# Allegro board RK3588S_Template_LP4XD200P232SD10H2_30X30_2133MHz_H1R0_V11_20220218YWQ.brd (continued)
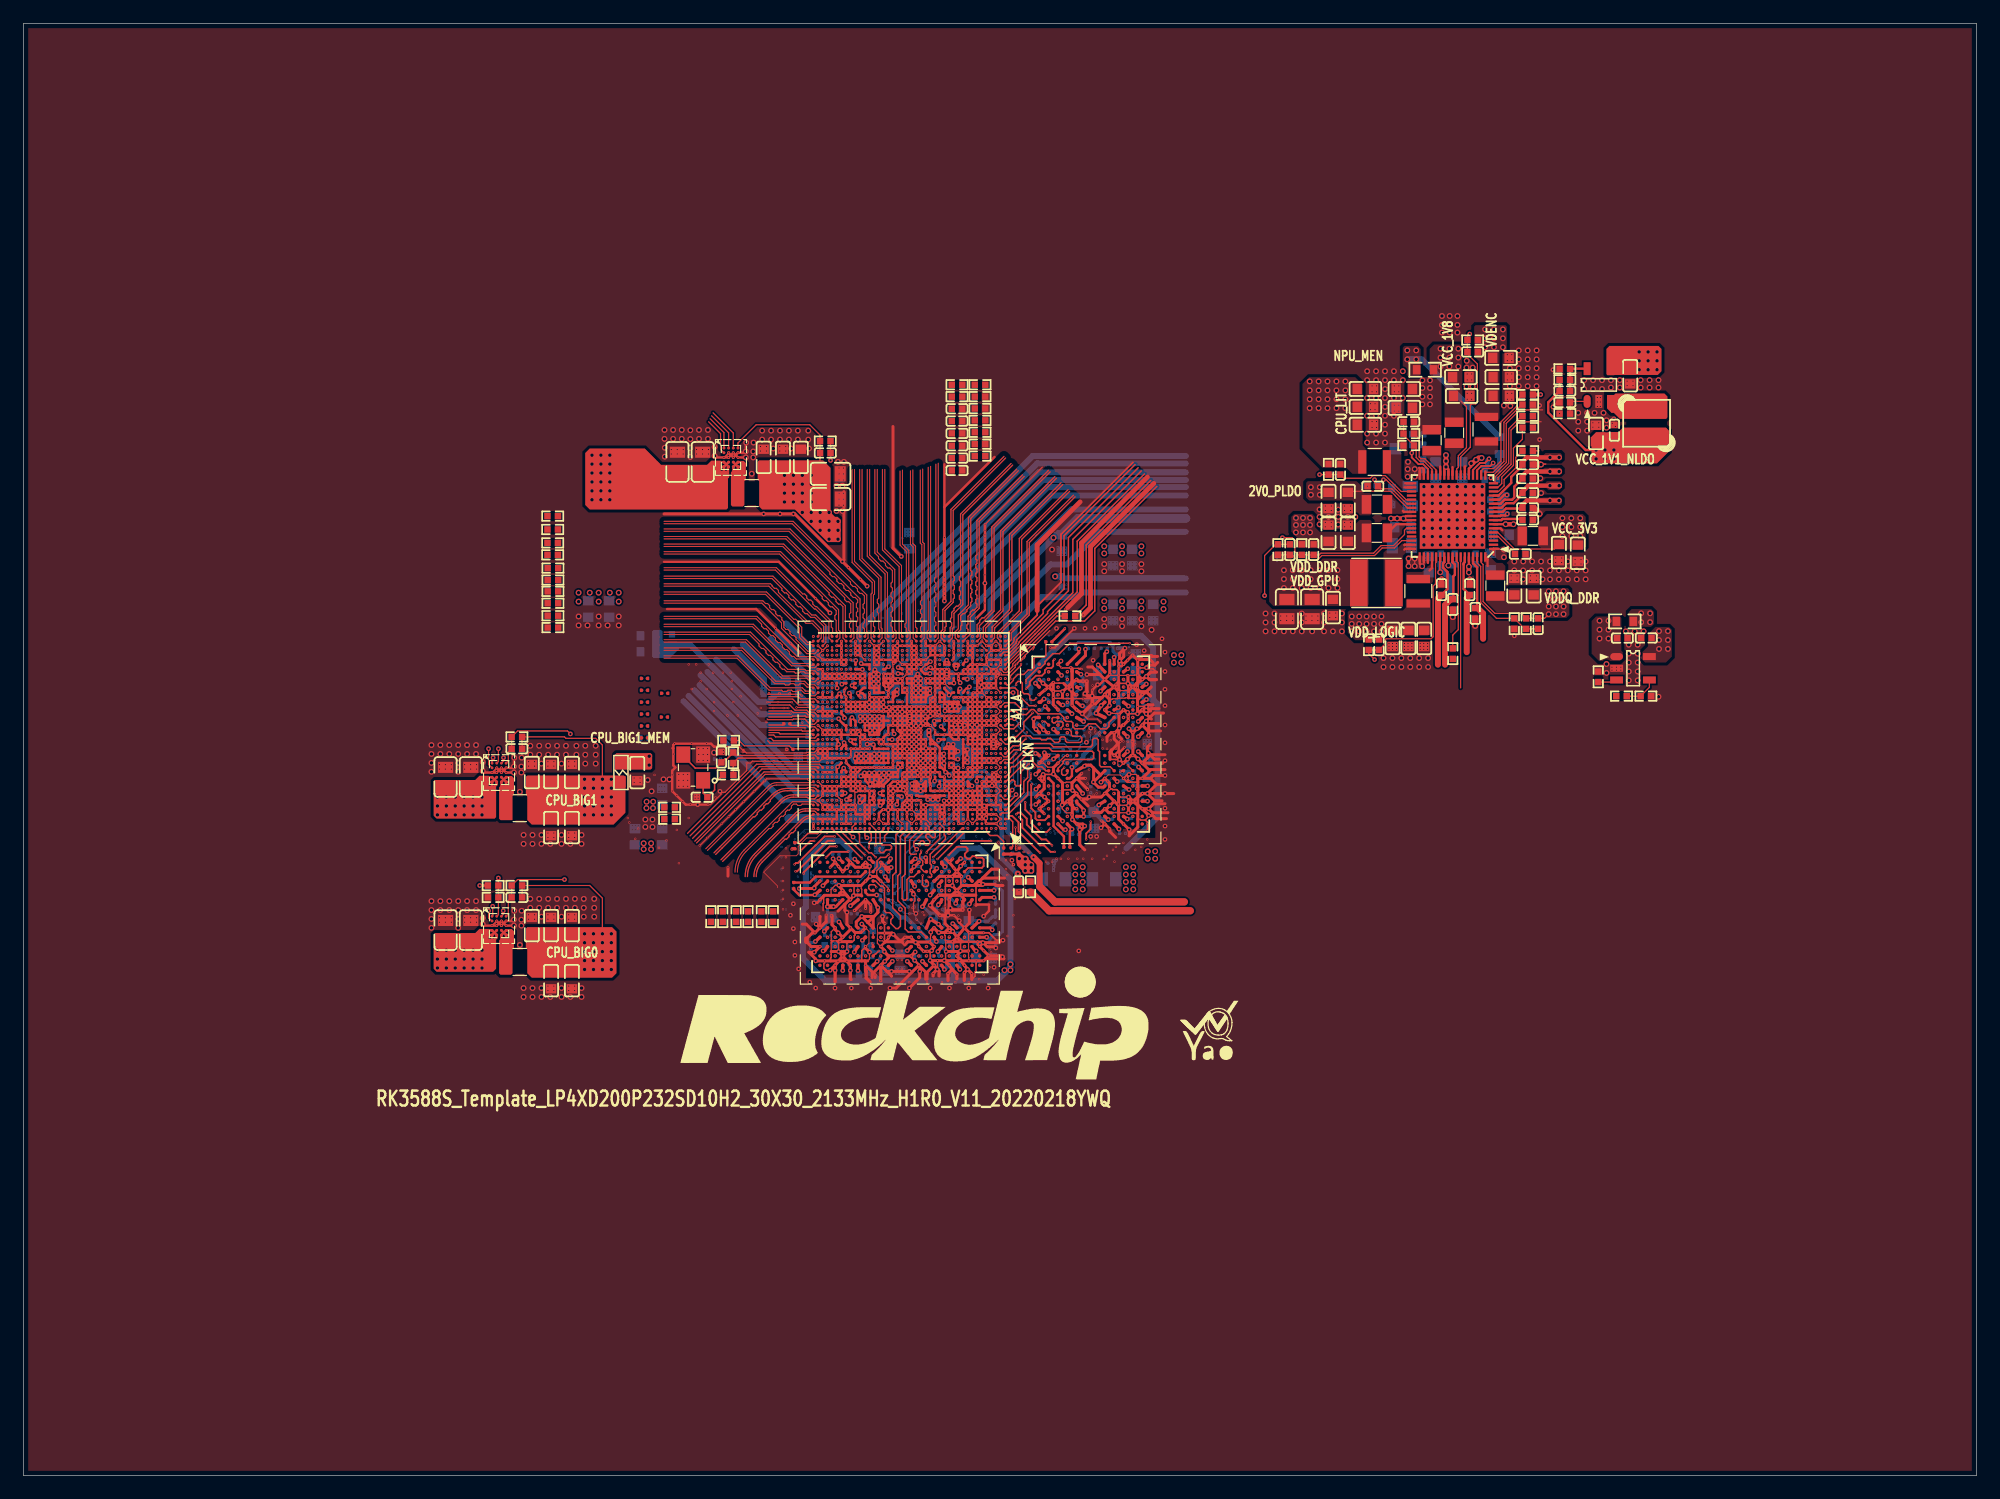
[diagram p0: board, top side]
## Routing (per net, layer and track width the routed paths; a pad name or vN(x,y) marks a point on that pad's centre or on a via; arc(x,y) is an arc through that point) (continued)
DDR_CH1_DQ1_C: length 12.1
  TOP w0.152: U3801.C2 80.73,51.93 81.89,51.93 82.04,52.08 82.04,52.67 81.91,52.79 81.44,52.79 81.31,52.93 81.09,52.93 80.86,52.7 80.65,52.7 80.43,52.92 80.43,53.13 80.66,53.36 80.66,53.57 80.51,53.72 79.76,53.72 v2(79.06,53.02)
  L3-S1 w0.076: v2(76.29,56.9) 76.29,56.81 76.51,56.59 76.51,56.05 76.96,55.6 76.96,55.15 79.06,53.06 v2(79.06,53.02)
DDR_CH1_DQ1_D: length 12.9
  L3-S1 w0.076: v3(69.86,52.07) 69.82,52.07 v2(69.35,51.6) ; v2(74.29,56.1) v3(74.29,55.8)
  L8-S3 w0.076: v3(69.86,52.07) 70.02,52.23 70.02,52.91 69.8,53.13 69.8,53.34 69.87,53.41 70.07,53.41 70.15,53.49 70.15,53.65 70.07,53.73 69.82,53.73 69.74,53.81 69.74,53.97 69.82,54.04 70.53,54.04 70.61,54.12 70.61,54.28 70.53,54.36 69.82,54.36 69.74,54.44 69.74,54.6 69.82,54.67 70.41,54.67 70.48,54.75 70.48,54.91 70.41,54.99 69.82,54.99 69.74,55.07 69.74,55.23 69.82,55.31 70.6,55.31 70.68,55.23 70.68,55.14 70.76,55.06 70.91,55.06 70.99,55.14 70.99,55.23 71.07,55.31 72.46,55.31 72.63,55.48 73.98,55.48 v3(74.29,55.8)
DDR_CH1_DQ2_C: length 8.1
  L3-S1 w0.076: v3(77.24,53.83) 77.24,54.21 76.83,54.61 76.45,54.61 76.2,54.86 76.2,55.21 v2(76.29,55.3) ; v2(79.1,51.64) 79.12,51.65 79.68,51.65 79.76,51.73 79.76,51.93 79.68,52.01 79.26,52.01 79.04,52.23 79.01,52.23 78.89,52.36 78.89,52.39 v3(78.1,53.17)
  L8-S3 w0.076: v3(77.24,53.83) 77.45,53.83 77.73,54.11 77.97,54.11 78.73,53.35 78.73,53.24 78.44,52.95 78.33,52.95 v3(78.1,53.17)
DDR_CH1_DQ2_D: length 12
  L3-S1 w0.076: v2(70.65,51.63) 70.71,51.68 70.71,52.86 v3(71.03,53.17) ; v3(74.35,54.62) 74.35,55.3 74.69,55.64 v2(74.69,55.7)
  L8-S3 w0.076: v3(74.35,54.62) 74.83,54.15 75.1,54.15 75.18,54.23 75.18,54.54 75.1,54.62 75.01,54.62 74.93,54.7 74.93,54.86 75.01,54.93 75.1,54.93 75.18,55.01 75.18,55.29 75.1,55.37 74.71,55.37 74.31,54.97 72.88,54.97 72.5,54.6 72.5,54.34 72.63,54.21 72.63,54.1 72.52,53.99 72.41,53.99 72.28,54.12 72.17,54.12 72.06,54 72.06,53.89 72.32,53.64 72.32,53.52 72.2,53.41 72.09,53.41 71.91,53.59 71.11,53.59 71.03,53.52 v3(71.03,53.17)
DDR_CH1_DQ3_C: length 9.9
  L3-S1 w0.076: v2(78.45,51.6) 78.36,51.69 78.36,51.73 78.37,51.75 78.37,52.03 78.36,52.04 78.36,52.31 v3(78.35,52.33) ; v2(76.29,57.3) 76.69,56.9 v3(76.7,56.9)
  L8-S3 w0.076: v3(78.35,52.33) 77.52,53.15 77.23,53.15 76.96,53.42 76.96,53.62 76.9,53.69 76.9,53.91 76.83,53.98 76.83,54.12 76.91,54.2 77.39,54.2 77.47,54.28 77.47,54.43 77.39,54.51 76.91,54.51 76.83,54.59 76.83,54.75 76.91,54.83 77.39,54.83 77.47,54.91 77.47,55.06 77.39,55.14 76.91,55.14 76.83,55.22 76.83,55.33 77.47,55.97 77.47,56.77 77.3,56.94 76.74,56.94 v3(76.7,56.9)
DDR_CH1_DQ3_D: length 10.7
  L3-S1 w0.076: v2(71.3,51.6) 71.3,51.71 v3(71.07,51.94) ; v2(73.09,55.3) 73,55.21 v3(73,54.61)
  L8-S3 w0.076: v3(73,54.61) 73,54.1 72.66,53.76 72.66,53.25 72.58,53.17 72.22,53.17 71.88,52.83 71.88,52.47 71.96,52.39 72.57,52.39 72.66,52.3 72.66,51.94 72.46,51.75 72.46,51.58 72.54,51.51 72.78,51.51 72.9,51.39 72.9,50.77 72.67,50.54 71.92,50.54 71.84,50.62 71.84,50.9 72,51.05 72,51.3 71.92,51.38 71.74,51.38 71.66,51.46 71.66,51.62 71.74,51.7 71.81,51.7 71.88,51.77 71.88,51.99 71.81,52.07 71.63,52.07 71.5,51.94 v3(71.07,51.94)
DDR_CH1_DQ4_C: length 12.6
  L3-S1 w0.076: v2(77.49,56.1) 77.53,56.06 77.53,55.31 79.55,53.3 80.36,53.3 81.56,52.09 81.56,50.42 81.79,50.19 81.79,49.53 81.51,49.25 79.91,49.25 79.5,49.66 78.99,49.66 78.81,49.84 78.68,49.84 78.52,50 v2(78.45,50)
DDR_CH1_DQ4_D: length 13.1
  L3-S1 w0.076: v3(73.99,56.37) 74.16,56.37 v2(74.29,56.5) ; v2(71.3,50) 71.33,50.03 v3(71.61,50.03)
  L8-S3 w0.076: v3(73.99,56.37) 74.23,56.37 74.56,56.05 75.26,56.05 75.69,55.61 75.69,53.58 75.61,53.51 75.14,53.51 75.06,53.43 75.06,53.27 75.14,53.19 75.61,53.19 75.69,53.11 75.69,52.72 75.51,52.55 75.4,52.55 75.08,52.87 74.97,52.87 74.86,52.76 74.86,52.65 75.18,52.32 75.18,52.21 74.74,51.77 74.74,51.5 74.04,50.8 73.66,50.8 72.88,50.03 v3(71.61,50.03)
DDR_CH1_DQ5_C: length 8.9
  L3-S1 w0.076: v2(79.1,50) v3(78.89,50.22) ; v2(77.89,56.1) 78.27,55.72 v3(78.33,55.72)
  L8-S3 w0.076: v3(78.89,50.22) 78.16,50.94 78.16,51.46 78.36,51.66 78.87,51.66 79.21,51.99 79.62,51.99 79.74,52.11 79.74,52.58 79.74,52.72 77.85,54.61 77.85,55.24 v3(78.33,55.72)
DDR_CH1_DQ5_D: length 11.6
  L3-S1 w0.076: v3(70.44,49.74) v2(70.65,49.96) ; v3(74.04,53.59) 74.04,53.79 73.85,53.97 73.85,54.94 v2(73.09,55.7)
  L8-S3 w0.076: v3(70.44,49.74) 70.41,49.71 70.41,49.54 70.8,49.15 71.12,49.15 71.26,49.29 71.26,49.77 71.12,49.91 71.12,50.16 71.37,50.42 71.7,50.42 71.83,50.28 72.78,50.28 73.15,50.66 73.15,51.31 73.38,51.54 74.27,51.54 74.48,51.75 74.48,52.85 74.04,53.3 v3(74.04,53.59)
DDR_CH1_DQ6_C: length 11.1
  L3-S1 w0.076: v2(77.49,56.5) 77.49,56.41 77.27,56.19 77.27,55.21 79.39,53.09 80.2,53.09 81.31,51.98 81.31,50.83 80.8,50.32 80.8,49.61 80.73,49.53 80.09,49.53 80.01,49.61 80.01,50.02 80.09,50.1 80.3,50.1 v2(80.4,50)
DDR_CH1_DQ6_D: length 13.3
  TOP w0.152: v2(68.57,52.81) 69.06,53.3 70.44,53.3 v2(70.48,53.34)
  L3-S1 w0.076: v2(73.49,56.1) 73.32,55.93 73.01,55.93 72.77,55.69 72.77,55.5 72.64,55.37 72.64,54.36 71.8,53.51 70.66,53.51 v2(70.48,53.34) ; v2(69.31,49.98) 69.37,50.04 69.85,50.04 70.04,49.85 70.04,49.35 69.96,49.28 69.48,49.28 68.96,49.79 68.96,50.54 68.07,51.44 68.07,52.36 68.52,52.81 v2(68.57,52.81)
DDR_CH1_DQ7_C: length 11.3
  L3-S1 w0.076: v3(81.33,50.17) 81.22,50.17 v2(81.05,50) ; v2(77.89,56.5) 77.89,56.71 v3(77.98,56.79)
  L8-S3 w0.076: v3(81.33,50.17) 81.33,50.59 82.28,51.55 82.28,55.41 82.19,55.5 82.19,55.69 81.65,56.24 78.54,56.24 v3(77.98,56.79)
DDR_CH1_DQ7_D: length 12.8
  L3-S1 w0.076: v2(68.7,50) 68.6,49.9 68.47,49.9 68.38,49.98 68.28,49.98 68.2,49.9 68.2,49.6 68.28,49.52 68.44,49.52 68.52,49.45 68.52,49.28 68.44,49.21 68.17,49.21 67.95,49.42 67.95,50.56 68.22,50.82 68.22,50.95 67.69,51.47 67.69,52.4 68.36,53.06 69.85,53.06 70.51,53.73 71.75,53.73 72.39,54.36 72.39,55.49 72.52,55.63 72.52,55.85 72.69,56.03 v2(72.69,56.1)
DDR_CH1_DQ8_C: length 15.7
  L3-S1 w0.076: v2(81.05,44.4) 81.46,44.4 83.92,46.85 83.92,50.58 83.31,51.18 83.31,52.68 82.89,53.1 82.89,53.63 82.23,54.29 82.23,55.43 82.08,55.59 82.08,55.82 81.64,56.26 80.53,56.26 v2(80.29,56.5)
DDR_CH1_DQ8_D: length 17.3
  TOP w0.152: v2(66.43,53.42) 67.24,54.23 v2(67.56,54.23)
  L3-S1 w0.076: v2(67.56,54.23) 68.07,54.23 68.55,54.7 68.76,54.7 69.78,55.73 70.04,55.73 70.26,55.95 70.26,56.07 v2(70.69,56.5) ; v2(66.43,53.42) 66.24,53.42 65.15,52.32 65.15,48.94 65.89,48.2 65.89,47.27 67.05,46.1 67.05,45.29 67.29,45.06 67.74,45.06 67.94,44.85 67.94,44.58 68.12,44.4 v2(68.7,44.4)
DDR_CH1_DQ9_C: length 15.2
  L3-S1 w0.076: v2(79.49,55.7) 79.49,55.64 79.86,55.27 79.86,54.82 80.45,54.23 80.9,54.23 81.15,53.98 81.68,53.98 82.12,53.53 82.12,52.63 82.33,52.41 82.33,51.4 83.4,50.33 83.4,49.02 83.32,48.94 83.26,48.94 83.18,48.86 83.18,48.71 83.26,48.63 83.32,48.63 83.4,48.55 83.4,48.39 83.32,48.31 83.26,48.31 83.18,48.23 83.18,48.08 83.26,48 83.32,48 83.4,47.92 83.4,47.75 81.28,45.63 81.28,45.28 v2(80.4,44.4)
DDR_CH1_DQ9_D: length 20.5
  L3-S1 w0.076: v3(69.12,44.63) v2(69.35,44.4) ; v2(72.69,56.5) 72.46,56.5 v3(72.39,56.57)
  L8-S3 w0.076: v3(72.39,56.57) 72.38,56.58 71.85,56.58 71.25,55.98 70,55.98 69.56,56.42 67.35,56.42 65.15,54.23 65.15,48.95 69.12,44.97 v3(69.12,44.63)
DDR_CH1_DQ10_C: length 18.3
  TOP w0.152: v2(80.14,54.23) v2(82.68,54.23)
  L3-S1 w0.076: v2(82.68,54.23) 83.15,53.76 83.15,53.21 83.57,52.79 83.57,51.29 84.17,50.68 84.17,46.71 81.53,44.07 80.26,44.07 79.93,44.4 v2(79.1,44.4) ; v2(80.14,54.23) 79.63,54.74 79.63,55.16 v2(79.49,55.3)
DDR_CH1_DQ10_D: length 20.9
  L3-S1 w0.076: v2(70.65,44.4) 70.92,44.13 71.47,44.13 71.67,44.33 71.67,45.28 71.79,45.4 71.82,45.4 72.02,45.6 72.02,45.88 71.82,46.08 71.79,46.08 70.48,47.38 70.48,47.52 69.75,48.25 69.75,48.71 69.51,48.95 68.05,48.95 67.72,49.28 67.4,49.28 67.22,49.46 67.22,52.29 68.25,53.32 69.74,53.32 70.39,53.98 71.09,53.98 72.14,55.02 72.14,55.5 71.97,55.66 71.97,56.6 72.26,56.9 v2(72.69,56.9)
DDR_CH1_DQ11_C: length 16.4
  L3-S1 w0.076: v2(80.29,56.1) 80.07,55.88 80.07,55.61 80.26,55.42 80.26,55.12 80.64,54.74 81.04,54.74 81.27,54.51 81.69,54.51 82.63,53.57 82.63,52.84 v3(82.93,52.54) ; v3(78.49,45.13) 78.49,44.43 v2(78.45,44.4)
  L8-S3 w0.076: v3(78.49,45.13) 78.49,45.38 78.34,45.52 78.34,45.96 78.99,46.6 78.99,47.24 79.33,47.58 79.33,48.07 80.13,48.87 80.13,49.17 80.41,49.45 81.11,49.45 81.23,49.33 81.72,49.33 82.16,49.78 82.16,50.22 82.55,50.61 82.55,52.16 v3(82.93,52.54)
DDR_CH1_DQ11_D: length 18.6
  L3-S1 w0.076: v2(71.3,44.4) 71.41,44.51 71.41,45.52 70.91,46.02 70.91,46.16 70.11,46.96 69.36,46.96 68.13,48.19 67.72,48.19 66.98,48.93 66.98,52.41 68.09,53.52 69.62,53.52 70.32,54.22 70.99,54.22 71.55,54.78 71.66,54.78 71.88,55 71.88,55.37 71.75,55.5 71.75,56.64 v2(71.49,56.9)
DDR_CH1_DQ12_C: length 13.6
  L3-S1 w0.076: v2(79.09,56.1) 79.27,55.92 79.27,55.21 79.41,55.07 79.41,54.45 79.88,53.98 80.77,53.98 81.66,53.09 v3(81.78,53.09) ; v3(78.64,47.46) 78.75,47.36 78.75,47.12 78.61,46.99 78.61,46.74 78.7,46.65 78.7,46.25 v2(78.45,46)
  L8-S3 w0.076: v3(81.78,53.09) 81.78,51.55 80.9,50.67 80.9,50.42 79.88,49.4 79.5,49.4 78.64,48.55 v3(78.64,47.46)
DDR_CH1_DQ12_D: length 15.8
  L3-S1 w0.076: v2(71.49,55.7) 71.23,55.7 70.27,54.74 70.15,54.74 69.42,54 69.24,54 68.96,53.72 67.93,53.72 66.74,52.53 66.74,51.88 66.31,51.45 v3(66.31,50.66) ; v3(67.86,48.53) 68.15,48.53 68.53,48.15 69.47,48.15 70.1,47.52 70.1,47.33 71.3,46.13 v2(71.3,46)
  L8-S3 w0.076: v3(67.86,48.53) 67.42,48.53 66.67,49.28 66.67,50.29 v3(66.31,50.66)
DDR_CH1_DQ13_C: length 17.3
  L3-S1 w0.076: v2(79.09,56.9) 79.24,56.9 v3(79.44,56.7) ; v2(79.1,46.05) 79.15,46.1 79.5,46.1 79.88,46.48 79.88,46.61 80.39,47.12 v3(80.39,47.88)
  L8-S3 w0.076: v3(80.39,47.88) 80.39,48.89 80.68,49.18 81.02,49.18 81.11,49.09 81.84,49.09 82.42,49.68 82.42,50.12 83.27,50.97 83.27,52.75 82.68,53.34 82.68,55.38 82.46,55.59 82.46,55.88 82.57,55.99 82.57,56.37 82.3,56.64 81.41,56.64 81.13,56.92 80.39,56.92 80.15,56.68 79.46,56.68 v3(79.44,56.7)
DDR_CH1_DQ13_D: length 16.2
  L3-S1 w0.076: v2(70.69,56.1) 70.09,55.5 69.86,55.5 68.84,54.48 68.71,54.48 68.2,53.98 67.82,53.98 66.36,52.52 65.73,52.52 65.41,52.2 65.41,49.61 v3(65.66,49.36) ; v2(70.65,46.05) 69.99,46.71 69.24,46.71 68.41,47.54 v3(68.01,47.54)
  L8-S3 w0.076: v3(65.66,49.36) 66.19,49.36 v3(68.01,47.54)
DDR_CH1_DQ14_C: length 14.2
  L3-S1 w0.076: v2(80.4,46) 80.14,46.26 80.14,46.48 80.92,47.26 80.92,47.37 80.77,47.51 80.77,47.63 80.88,47.74 81,47.74 81.14,47.59 81.25,47.59 81.36,47.71 81.36,47.82 81.22,47.96 81.22,48.07 81.33,48.18 81.44,48.18 81.58,48.04 81.7,48.04 81.81,48.15 81.81,48.26 81.66,48.41 81.66,48.52 81.78,48.63 81.89,48.63 82.03,48.49 82.14,48.49 82.32,48.67 82.32,50.66 81.82,51.16 81.82,52.2 80.5,53.52 79.67,53.52 v2(77.89,55.3)
DDR_CH1_DQ14_D: length 15.5
  TOP w0.152: v2(69.21,54.24) 68.72,54.24 66.1,51.63 v2(65.97,51.63)
  L3-S1 w0.076: v2(71.49,56.1) 71.27,55.88 71.09,55.88 70.2,54.99 70.1,54.99 69.36,54.24 v2(69.21,54.24) ; v2(69.35,46) 69.1,45.74 68.18,45.74 66.38,47.53 66.38,49.57 65.95,50 65.95,51.62 v2(65.97,51.63)
DDR_CH1_DQ15_C: length 14.9
  L3-S1 w0.076: v2(81.13,45.99) 81.05,46.07 81.05,46.45 81.21,46.6 81.32,46.6 81.47,46.45 81.58,46.45 81.69,46.56 81.69,46.67 81.64,46.73 81.64,46.84 81.75,46.95 81.86,46.95 81.92,46.89 82.03,46.89 82.14,47.01 82.14,47.12 82.08,47.17 82.08,47.29 82.19,47.4 82.31,47.4 82.36,47.34 82.47,47.34 82.55,47.42 82.55,47.81 82.63,47.89 82.85,47.89 82.93,47.97 82.93,48.13 82.85,48.21 82.63,48.21 82.55,48.28 82.55,48.44 82.63,48.52 82.85,48.52 82.93,48.6 82.93,48.76 82.85,48.84 82.67,48.84 82.59,48.91 82.59,50.76 82.08,51.27 82.08,52.3 80.66,53.72 79.76,53.72 78.11,55.37 78.11,55.48 v2(77.89,55.7)
DDR_CH1_DQ15_D: length 14.8
  TOP w0.152: v2(69.47,53.76) 68.88,53.76 66.66,51.54 v2(66.66,51.44)
  L3-S1 w0.076: v2(71.49,55.3) 71.18,55.3 70.36,54.48 70.23,54.48 69.51,53.76 v2(69.47,53.76) ; v2(66.66,51.44) 66.66,48.59 66.81,48.44 67.1,48.44 67.18,48.36 67.18,48.2 67.1,48.12 66.81,48.12 66.74,48.04 66.74,47.66 66.85,47.55 66.96,47.55 67.29,47.88 67.4,47.88 67.51,47.77 67.51,47.66 67.18,47.32 67.18,47.12 68.3,46 v2(68.7,46)
DDR_CH1_DQS0N_C: length 7.5
  L3-S1 w0.064: v2(80.69,55.7) 80.69,55.65 80.76,55.59 80.91,55.59 81.08,55.41 81.28,55.41 v3(81.48,55.61) ; v2(79.08,50.77) 79.08,50.98 v3(78.99,51.07)
  L8-S3 w0.064: v3(78.99,51.07) 79.19,51.26 79.19,51.41 79.36,51.57 80.05,51.57 80.73,52.25 80.73,53.01 80.62,53.12 80.62,53.31 80.73,53.42 80.73,55.07 81.06,55.41 81.28,55.41 v3(81.48,55.61)
DDR_CH1_DQS0N_D: length 7.6
  L3-S1 w0.064: v3(70.45,51.07) 70.63,50.88 v2(70.63,50.77) ; v2(67.89,55.3) 67.82,55.23 v3(67.58,55.23)
  L8-S3 w0.064: v3(70.45,51.07) 70.35,51.07 70.17,51.25 70.17,51.34 69.98,51.52 69.66,51.52 69.5,51.68 68.55,51.68 67.75,52.48 67.75,54.49 67.23,55.01 67.23,55.36 67.29,55.43 67.39,55.43 v3(67.58,55.23)
DDR_CH1_DQS0P_C: length 7.2
  L3-S1 w0.064: v2(80.69,55.3) 80.69,55.35 80.76,55.41 80.83,55.41 81.01,55.24 81.28,55.24 v3(81.48,55.04) ; v2(79.73,50.77) 79.73,50.9 v3(79.56,51.07)
  L8-S3 w0.064: v3(81.48,55.04) 81.28,55.24 81.14,55.24 80.9,55 80.9,52.18 80.12,51.4 79.43,51.4 79.36,51.34 79.36,51.26 v3(79.56,51.07)
DDR_CH1_DQS0P_D: length 7.7
  L3-S1 w0.064: v2(67.89,55.7) 67.79,55.8 v3(67.58,55.8) ; v2(69.98,50.77) 69.97,50.79 69.97,50.98 v3(69.88,51.07)
  L8-S3 w0.064: v3(67.58,55.8) 67.39,55.6 67.22,55.6 67.06,55.44 67.06,54.94 67.58,54.42 67.58,52.41 68.48,51.51 69.43,51.51 69.59,51.35 69.91,51.35 69.99,51.27 69.99,51.18 v3(69.88,51.07)
DDR_CH1_DQS1N_C: length 13.7
  L3-S1 w0.064: v3(83.68,53.92) 83.8,53.92 83.87,53.98 83.87,54.12 83.17,54.82 82.98,54.82 82.81,54.99 82.81,55.19 v2(82.69,55.3) ; v3(79.15,45.45) 79.15,45.19 v2(79.1,45.15)
  L8-S3 w0.064: v3(79.15,45.45) 79.35,45.65 79.35,45.81 79.84,46.3 79.84,46.55 81.72,48.43 82.73,48.43 82.87,48.57 82.87,48.72 83,48.86 83.16,48.86 83.88,49.58 83.88,52.5 83.77,52.61 83.77,52.8 83.88,52.91 83.88,53.72 v3(83.68,53.92)
DDR_CH1_DQS1N_D: length 15.1
  L3-S1 w0.064: v2(69.89,56.1) 69.88,56.11 69.74,56.11 68.88,55.25 68.65,55.25 67.99,54.59 66.83,54.59 66.72,54.48 66.72,54.39 v3(66.92,54.2) ; v3(70.59,45.48) 70.59,45.22 v2(70.63,45.17)
  L8-S3 w0.064: v3(66.92,54.2) 66.72,54 66.72,52.78 68.34,51.16 68.56,51.16 69.26,50.46 69.26,49.62 70.02,48.85 70.02,47.99 70.39,47.62 70.39,45.67 v3(70.59,45.48)
DDR_CH1_DQS1P_C: length 13.6
  L3-S1 w0.064: v2(83.09,55.3) 82.98,55.19 82.98,55.06 83.05,54.99 83.24,54.99 84.04,54.19 84.04,54.01 84.13,53.92 v3(84.25,53.92) ; v3(79.71,45.45) 79.71,45.19 v2(79.75,45.15)
  L8-S3 w0.064: v3(84.25,53.92) 84.05,53.72 84.05,49.51 82.8,48.26 81.79,48.26 80.01,46.48 80.01,46.23 79.52,45.74 79.52,45.65 v3(79.71,45.45)
DDR_CH1_DQS1P_D: length 15.4
  L3-S1 w0.064: v2(69.98,45.17) 70.02,45.22 v3(70.02,45.48) ; v3(66.35,54.2) 66.55,54.4 66.55,54.55 66.76,54.77 67.92,54.77 68.58,55.43 68.81,55.43 69.67,56.28 69.67,56.28 v2(69.89,56.5)
  L8-S3 w0.064: v3(70.02,45.48) 70.22,45.67 70.22,47.55 69.85,47.92 69.85,48.78 69.09,49.54 69.09,50.38 68.49,50.98 68.27,50.98 66.55,52.71 66.55,54 v3(66.35,54.2)
DDR_CH1_LP4/4X_CKE0/LP5_CS0_C: length 6.9
  TOP w0.122: U1000.A18 77.09,55.15 76.07,54.13 76.07,53.77 v1(76.32,53.52)
  BOTTOM w0.122: R3814.1 75.59,49.77 75.69,49.87 75.69,52.89 v1(76.32,53.52)
DDR_CH1_LP4/4X_CKE0/LP5_CS0_D: length 8.4
  TOP w0.122: v1(70.89,54.56) 70.29,55.15 U1000.A35
  BOTTOM w0.122: R3816.2 74.55,50.52 74.55,53.69 74.15,54.09 71.35,54.09 v1(70.89,54.56)
DDR_CH1_LP4/4X_CKE1/LP5_CS1_C: length 9.6
  TOP w0.122: v1(79.09,54.94) U1000.A13
  BOTTOM w0.122: R3815.1 75.59,48.61 75.18,49.02 75.18,49.9 75.31,50.02 75.31,53.09 76.12,53.9 77.9,53.9 78.94,54.94 v1(79.09,54.94)
DDR_CH1_LP4/4X_CKE1/LP5_CS1_D: length 8.4
  TOP w0.122: U1000.A31 71.89,54.67 v1(72.07,54.49)
  BOTTOM w0.122: v1(72.07,54.49) 74.28,54.49 74.93,53.85 74.93,50.26 R3817.2
DDR_CH1_LP4/4X_CS0_C: length 10.2
  TOP w0.102: 78.67,55.32 U1000.B15
  TOP w0.122: 78.67,55.32 78.67,54.74 78.78,54.63 78.78,54.39 77.47,53.09 77.47,52.29 77.57,52.19 77.57,51.92 77.47,51.82 77.47,51.49 77.6,51.36 77.6,51.18 77.53,51.11 77.39,51.11 v2(77.34,51.16)
  L3-S1 w0.064: v2(77.34,51.16) 77.38,51.16 77.45,51.08 77.45,50.94 77.38,50.87 77.38,50.73 77.45,50.66 77.45,50.54 77.34,50.43 77.34,50.21 77.99,49.56 77.99,49.34 77.71,49.06 77.65,49.06 77.59,49.12 77.59,49.19 77.53,49.25 77.4,49.25 77.33,49.19 77.33,49.12 77.27,49.06 77.12,49.06 77.01,49.16 77.01,49.33 77.1,49.42 77.1,49.95 v2(77.15,50)
DDR_CH1_LP4/4X_CS0_D: length 11.2
  TOP w0.102: 72.63,55.36 U1000.B30
  TOP w0.122: U3801.R4 72.58,49.98 72.41,49.98 72.22,50.17 72.22,50.37 72.34,50.49 72.7,50.49 72.87,50.32 v2(72.87,50.27) ; v2(72.79,53.85) 72.82,53.88 72.82,55.17 72.63,55.36
  L3-S1 w0.064: v2(72.87,50.27) 72.81,50.2 72.81,50.05 72.87,49.99 72.98,49.99 73.25,50.26 73.25,50.44 73.18,50.51 72.93,50.51 72.87,50.57 72.87,50.65 72.93,50.7 73.11,50.7 73.17,50.77 73.17,50.87 73.08,50.96 73.08,51.49 73.05,51.53 73.05,52.45 73.1,52.51 73.1,53.13 72.96,53.27 72.96,53.51 72.88,53.59 72.77,53.59 72.71,53.52 72.71,53.27 72.64,53.21 72.53,53.21 72.42,53.32 72.42,53.41 72.48,53.47 72.48,53.94 72.82,54.27 72.94,54.27 73,54.21 73,53.85 72.94,53.78 72.85,53.78 v2(72.79,53.85)
DDR_CH1_LP4/4X_CS1_C: length 8.7
  TOP w0.122: v2(76.24,53.12) 76.21,53.09 75.84,53.09 75.72,53.21 75.72,54.32 76.69,55.29 U1000.A19 ; v2(76.83,51.28) 76.82,51.26 76.82,50.46 76.94,50.34 77.22,50.34 77.32,50.44 77.32,50.7 77.22,50.8 U3801.H3
  L3-S1 w0.064: v2(76.83,51.28) 76.83,51.09 76.76,51.02 76.64,51.02 76.53,51.13 76.53,51.34 76.47,51.4 76.15,51.4 76.09,51.46 76.09,51.59 76.15,51.65 76.23,51.65 76.43,51.85 76.43,52.16 76.52,52.24 76.64,52.24 76.7,52.31 76.7,52.44 76.53,52.62 76.53,53.11 76.47,53.17 76.29,53.17 v2(76.24,53.12)
DDR_CH1_LP4/4X_CS1_D: length 14.8
  TOP w0.122: U1000.A23 75.09,55.29 74.55,54.75 74.55,51.56 74.27,51.28 74.27,48.51 74.93,47.85 74.93,46.94 74.73,46.74 74.55,46.74 74.11,47.18 74.11,47.5 74.28,47.67 74.28,47.85 74.02,48.1 73.71,48.1 73.57,48.24 73.57,50.2 73.41,50.36 73.25,50.36 72.81,50.8 U3801.R3
DDR_RESET: length 64
  TOP w0.122: v2(85.66,67.75) 85.66,68.01 86.67,69.01 86.92,69.01 87.28,69.37 87.28,69.56 87.95,70.23 88.52,70.23 89.41,71.12 v2(94.52,71.12) ; U1000.AG1 83.98,65.79 v2(84.2,65.79)
  L3-S1 w0.064: v2(85.66,67.75) 85.43,67.53 85.43,66.61 84.61,65.79 v2(84.2,65.79) ; v3(95.18,59.71) 95.18,59.68 95.38,59.48 95.38,58.16 95.54,58 95.54,57.32 95.78,57.07 95.78,54.63 94.97,53.82 94.08,53.82 91.44,51.18 91.44,49.91 90.8,49.28 87.81,49.28 81.08,42.55 73.55,42.55 v3(72.09,44.01) 71.95,44.14 v2(71.95,44.4) ; v3(95.18,59.71) 94.92,59.71 v2(94.79,59.57) ; v3(95.18,59.71) 95.27,59.71 96.65,61.09 96.65,69 v2(94.52,71.12)
  L8-S3 w0.066: v3(95.18,59.71) 95,59.89 v4(95,59.94) ; v3(72.09,44.01) v4(72.3,44.22)
  BOTTOM w0.122: v4(72.3,44.22) 72.33,44.26 C3898.1 ; v4(95,59.94) 94.94,60.01 C3899.1
EDP_TX0_AUXN: length 15.2
  TOP w0.107: U1000.AY1 83.89,70.9 84.4,71.41 84.4,71.99 85.94,73.54 85.94,79.72 89.85,83.63
EDP_TX0_AUXP: length 14.9
  TOP w0.107: 89.71,83.77 85.75,79.8 85.75,73.62 84.2,72.08 84.2,71.49 84.01,71.3 U1000.BA1
EDP_TX0_D0N: length 15.9
  TOP w0.107: U1000.BA4 82.97,71.58 82.97,72.4 82.98,72.42 82.98,72.43 84.45,73.9 84.45,80.34 88.8,84.68
EDP_TX0_D0P: length 15.6
  TOP w0.107: U1000.BB4 82.76,71.77 82.76,72.49 82.78,72.5 82.78,72.51 84.25,73.98 84.25,80.42 88.65,84.83
EDP_TX0_D1N: length 16.1
  TOP w0.107: U1000.BB5 82.21,71.78 82.21,72.41 83.69,73.89 83.69,80.65 88.26,85.22
EDP_TX0_D1P: length 16.7
  TOP w0.107: 88.12,85.36 83.5,80.73 83.5,73.97 82.01,72.49 82.01,71.58 U1000.BA5
EDP_TX0_D2N: length 17.1
  TOP w0.107: U1000.BA7 81.77,71.58 81.77,71.97 81.69,72.05 81.69,72.62 82.93,73.87 82.93,80.97 87.72,85.76
EDP_TX0_D2P: length 16.9
  TOP w0.107: 87.58,85.9 82.74,81.05 82.74,73.95 82.08,73.29 81.91,73.29 81.7,73.07 81.7,72.91 81.48,72.69 81.48,71.97 81.56,71.89 81.56,71.77 U1000.BB7
EDP_TX0_D3N: length 14.9
  TOP w0.107: 89.39,84.09 85.29,79.99 85.29,73.81 83.44,71.97 83.44,71.75 U1000.BB2
EDP_TX0_D3P: length 15.5
  TOP w0.107: U1000.BA2 83.21,71.58 83.21,71.8 83.24,71.83 83.24,72.05 85.09,73.9 85.09,80.07 89.25,84.23
EMMC_CLKOUT: length 1.3
  TOP w0.107: 63.69,64.14 64.88,64.14 R1309.2
EMMC_CMD/FSPI_CLK: length 4
  TOP w0.102: 65.77,65.19 66.85,65.19 67.03,65.01 67.38,65.01 U1000.AE42
  TOP w0.107: 63.69,65.33 65.63,65.33 65.77,65.19
EMMC_D0/FSPI_D0: length 4.3
  TOP w0.107: U1000.Y41 67.78,62.79 64.08,62.79 63.88,62.99 63.69,62.99
EMMC_D1/FSPI_D1: length 11.7
  L3-S1 w0.064: 57.17,64.25 60.47,64.25 61.67,63.04 66.34,63.04 66.42,63.12 67.82,63.12 68.04,62.9 v2(68.29,62.9)
EMMC_D2/FSPI_D2: length 4.4
  TOP w0.107: 63.69,63.27 64.11,63.27 64.26,63.12 67.08,63.12 67.18,63.02 67.61,63.02 U1000.AA41
EMMC_D3/FSPI_D3: length 3.9
  TOP w0.107: U1000.AA42 67.42,63.37 64.64,63.37 64.53,63.48 63.69,63.48
EMMC_D6/FSPI_CS0: length 4.7
  TOP w0.107: 63.55,64.65 63.61,64.59 65.73,64.59 65.79,64.64 66.76,64.64 67.22,64.19 67.58,64.19 U1000.AD41
EMMC_D7: length 4.6
  TOP w0.107: U1000.AE41 67.58,65.22 67.12,65.22 66.94,65.4 65.92,65.4 65.49,65.84 63.69,65.84
EMMC_DATA_STROBE: length 12.3
  L3-S1 w0.064: 57.36,67.29 60.93,67.29 63.86,64.36 66.52,64.36 v2(66.55,64.34)
  L3-S1 w0.066: v2(68.29,64.1) 68.06,64.34 v2(66.55,64.34)
EMMC_RSTN: length 12.4
  L3-S1 w0.064: 57.36,68 60.99,68 64.41,64.57 68.23,64.57 v2(68.29,64.5)
GAUGE_ALRT: length 13.8
  L3-S1 w0.076: v2(68.69,65.7) 68.47,65.48 66.85,65.48 66.62,65.71 66.62,66.12 66.43,66.32 66.24,66.32
  L3-S1 w0.102: 66.24,66.32 61.81,70.75 57.36,70.75
GSENSOR_INT_L: length 13.7
  L3-S1 w0.076: 66.24,60.8 66.28,60.8 66.38,60.9 v2(68.69,60.9)
  L3-S1 w0.102: 57.53,54.74 59.06,54.74 65.12,60.8 66.24,60.8
HALL_INT_L: length 14.3
  L3-S1 w0.076: v2(69.49,65.7) 69.49,65.66 69.01,65.18 66.54,65.18 66.34,65.38 66.24,65.38
  L3-S1 w0.102: 66.24,65.38 65.98,65.38 61.42,69.94 57.36,69.94
HDMI0_TX_ON_H: length 15
  L3-S1 w0.076: v2(75.49,70.5) 75.31,70.68 75.31,72.26 75.01,72.57
  L3-S1 w0.102: 75.01,72.57 75.01,78.02 75.64,78.66 75.64,80.47 74.9,81.21 74.9,84.74
HDMI/EDP_TX0_REXT: length 1
  L3-S1 w0.102: v3(83.39,71.02) 83.21,71.02 v2(83.09,70.9)
  L8-S3 w0.102: v4(83.39,70.71) v3(83.39,71.02)
  BOTTOM w0.102: R1708.1 v4(83.39,70.71)
HDMI_TX0_CEC_M0: length 13
  L3-S1 w0.076: v2(73.89,70.9) 73.96,70.97 73.96,72.51 73.74,72.74
  L3-S1 w0.102: 73.71,83.81 73.74,83.79 73.74,72.74
HDMI_TX0_HPD_M0: length 13
  L3-S1 w0.076: 66.24,59.56 66.62,59.56 67.03,59.97 68,59.97 v2(68.27,59.7)
  L3-S1 w0.102: 59.51,51.91 59.51,53.18 65.35,59.02 65.89,59.56 66.24,59.56
HDMI_TX0_SCL_M0: length 15.7
  L3-S1 w0.076: v2(75.49,70.1) 75.74,70.34 75.74,70.66 75.47,70.93 75.47,72.36 75.26,72.57 75.26,72.82
  L3-S1 w0.102: 75.26,72.82 75.26,77.99 75.84,78.57 75.84,80.55 75.11,81.29 75.11,84.91
HDMI_TX0_SDA_M0: length 14.4
  L3-S1 w0.076: v2(75.09,70.5) 75.16,70.57 75.16,72.16 74.75,72.57 74.75,72.71
  L3-S1 w0.102: 74.59,84.64 74.59,72.88 74.75,72.71
HOST0_REXT: length 1.6
  TOP w0.102: v2(81.89,70.9) 82.29,70.5 U1000.AW5
  L3-S1 w0.102: v3(81.92,71.2) 81.92,70.92 v2(81.89,70.9)
  L8-S3 w0.102: v3(81.92,71.2) v4(81.92,71.5)
  BOTTOM w0.102: v4(81.92,71.5) 81.74,71.68 R1405.1
HOST1_REXT: length 1.8
  L3-S1 w0.102: v2(81.89,69.7) 81.89,69.7 v3(82.19,69.7)
  L8-S3 w0.102: v4(82.19,70) v3(82.19,69.7)
  BOTTOM w0.102: v4(82.19,70) 82.18,70 82.05,70.13 82.05,70.73 R1406.1
HOST_WAKE_BT_H: length 12
  TOP w0.102: U1000.AH42 v2(66.34,66.1)
  L3-S1 w0.076: v2(66.34,66.1) 66.24,66.1
  L3-S1 w0.102: 57.36,70.55 61.72,70.55 66.17,66.1 66.24,66.1
HP_DET_L: length 14.8
  L3-S1 w0.076: v2(69.09,60.9) 68.87,61.12 66.38,61.12 66.27,61.01 66.24,61.01
  L3-S1 w0.102: 66.24,61.01 64.44,61.01 59.89,56.46 59.89,56.34 58.72,55.17 56.97,55.17
I2C0_SCL_M2: length 18.6
  TOP w0.102: U1000.AH41 67.61,66.38 67.38,66.38 66.39,66.38 66.22,66.55 63.69,66.55
  TOP w0.104: U2301.A3 41.02,61.05 v1(41.02,61.34) ; U2300.A3 41,47.95 v1(41,48.26)
  L8-S3 w0.102: v1(41,48.26) 41,61.32 v1(41.02,61.34)
I2C0_SDA_M2: length 29.2
  TOP w0.102: U1000.AG41 67.61,65.42 67.35,65.42 67.14,65.63 v2(66.06,65.63)
  TOP w0.104: U2301.B1 39.74,60.77 v1(39.74,62.1) ; v1(39.74,48.26) 39.74,47.67 40.02,47.39 U2300.B1
  L3-S1 w0.102: v2(66.06,65.63) 66.02,65.63 61.5,70.14 57.36,70.14
  L8-S3 w0.102: v1(39.74,48.26) v1(39.74,62.1)
I2C2_SCL_M0: length 17.1
  TOP w0.102: 58.93,90.81 60.65,89.08 U2302.A3
  L3-S1 w0.076: 66.21,67.51 66.7,67.01 66.85,67.01 67.09,66.78 68.57,66.78 v2(68.69,66.9)
  L3-S1 w0.102: 57.36,71.57 62.14,71.57 66.21,67.51
I2C2_SDA_M0: length 16.3
  TOP w0.102: 58.55,90.04 59.56,89.03 59.56,87.68 U2302.B1
  L3-S1 w0.076: v2(68.29,67.68) 68.29,67.63 67.89,67.23 67.27,67.23 66.82,67.69 66.82,67.76 66.22,68.36
  L3-S1 w0.102: 57.43,72.18 62.4,72.18 66.22,68.36
I2C3_SCL_M1_SENSOR: length 12.3
  L3-S1 w0.076: 70.35,73.09 70.28,73.03 70.28,71.31 v2(70.69,70.9)
  L3-S1 w0.102: 64.61,80.59 70.35,74.86 70.35,73.09
I2C3_SDA_M1_SENSOR: length 13.8
  L3-S1 w0.076: 66.21,69.52 66.85,68.88 66.85,68.79 67.29,68.36 69.35,68.36 v2(69.89,68.9)